# Altium PCB BK1096.PcbDoc (part 1 of 2) (continued)
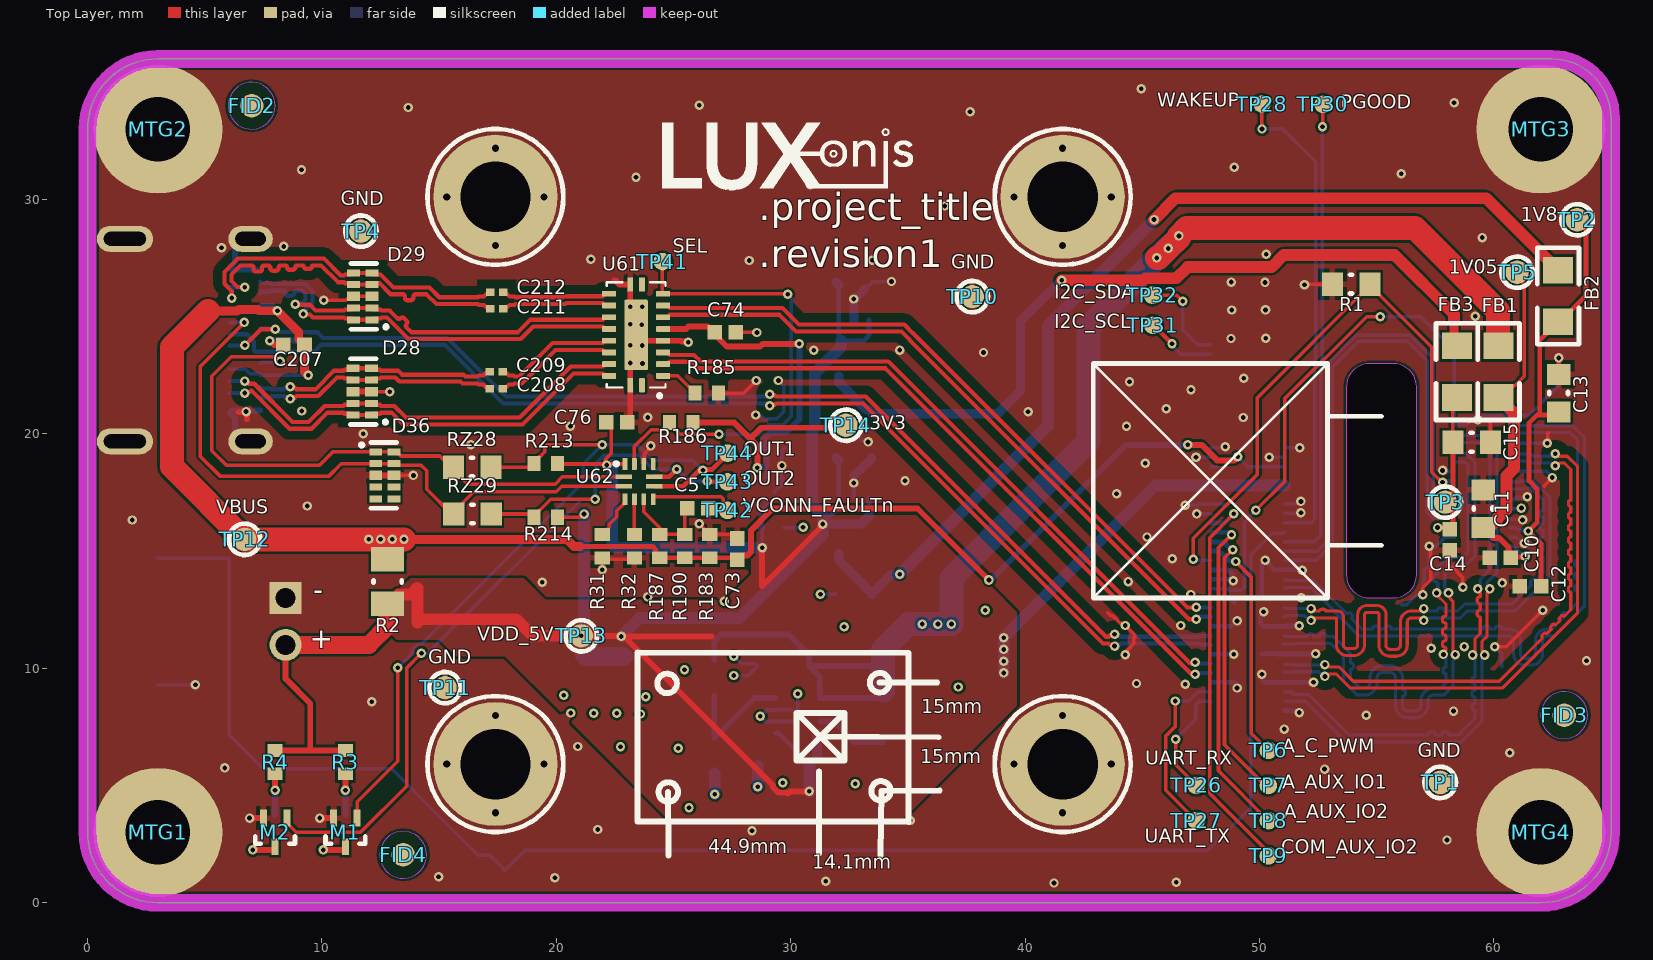
[diagram p0: Top Layer view]
## Footprints (in the part's own frame and the unit in brackets; to place one, negate y for a bottom-side part, rotate by r counter-clockwise, add the part's x,y. Pads: shape width x height; smd on the part's side, far side on the other; paste and mask are expansions set on the pad)
0603 [mm]
  rect 0.7x0.76 smd: 1(-0.762,0) 2(0.762,0)
  silkscreen extent -1.33,-0.63 1.33,0.64, body extent -0.8,-0.4 0.8,0.4, height 0.51
0805 [mm]
  rect 1.143x1.27 smd: 1(-1.1,0) 2(1.1,0)
  silkscreen extent -1.9,-0.9 1.92,0.89, body extent -1.2,-0.65 1.2,0.65, height 0.51
744029001 [mm]
  rect 3.4x1 smd: 1(0,-1.1) 2(0,1.1)
  silkscreen extent -2,-1.9 2,1.9, body extent -1.39,-1.39 1.39,1.39, height 1.21
*JST_B2B-PH-K-S(LF)(SN) [mm]
  rect 1.368x1.368 hole 0.86: P1(1,-0.55)
  round 1.368 hole 0.86: P2(-1,-0.55)
  silkscreen extent -3.2,-2.5 3.2,2.5, body extent -2.95,-2.25 2.95,2.25, height 6
A12N02A-201_MatedModule [mm] "connector: 24-5804-030-000-829+ (1.4mm height w/ module mated)"
  rect 0.22x0.5 smd mask+0.05: 1(-2.8,-1.2) 2(-2.4,-1.2) 3(-2,-1.2) 4(-1.6,-1.2) 5(-1.2,-1.2) 6(-0.8,-1.2) 7(-0.4,-1.2) 8(0,-1.2) 9(0.4,-1.2) 10(0.8,-1.2) 11(1.2,-1.2) 12(1.6,-1.2) 13(2,-1.2) 14(2.4,-1.2) 15(2.8,-1.2) 16(2.8,1.2) 17(2.4,1.2) 18(2,1.2) 19(1.6,1.2) 20(1.2,1.2) 21(0.8,1.2) 22(0.4,1.2) 23(0,1.2) 24(-0.4,1.2) 25(-0.8,1.2) 26(-1.2,1.2) 27(-1.6,1.2) 28(-2,1.2) 29(-2.4,1.2) 30(-2.8,1.2)
  Bottom Layer keep-out region: -4.999,16.599 4.999,16.599 4.999,6.601 -4.999,6.601
  KeepOutLayer board cut-out: -5,4.8 -4.924,5.183 -4.707,5.507 -4.383,5.724 -4,5.8 -4,5.8 4,5.8 4.383,5.724 4.707,5.507 4.924,5.183 5,4.8 5,4.8 5,3.8 4.924,3.417 4.707,3.093 4.383,2.876 4,2.8 4,2.8 -4,2.8 -4.383,2.876 -4.707,3.093 -4.924,3.417 -5,3.8 -5,3.8
  silkscreen extent -4.5,-2 4.5,4.3, body extent -5,-2 5,16.6, height 6.18
CAPC0201(0603)33_L [mm] "Chip Capacitor, Body 0.6x0.3mm, Height 0.33mm, IPC High Density"
  rect 0.36x0.32 smd: 1(-0.28,0) 2(0.28,0)
  body extent -0.32,-0.17 0.32,0.17, height 0.33
CAPC0402(1005)60_N [mm] "Chip Capacitor, Body 1.0x0.5mm, Height 0.6mm, IPC Medium Density"
  rect 0.62x0.62 smd: 1(-0.45,0) 2(0.45,0)
  body extent -0.55,-0.3 0.55,0.3, height 0.6
CAPC0402(1005)70_N [mm] "Chip Capacitor, Body 1.0x0.5mm, Height 0.7mm, IPC Medium Density"
  rect 0.62x0.62 smd: 1(-0.45,0) 2(0.45,0)
  body extent -0.55,-0.3 0.55,0.3, height 0.7
CAPC0603(1608)55_N [mm] "Chip Capacitor, Body 1.6x0.8mm, Height 0.55mm, IPC Medium Density"
  rect 0.9x1 smd: 1(-0.8,0) 2(0.8,0)
  silkscreen extent -0.05,-0.4 0.05,0.4, body extent -0.87,-0.48 0.88,0.47, height 0.55
CAPC0603(1608)100_N [mm] "Chip Capacitor, Body 1.6x0.8mm, Height 1.0mm, IPC Medium Density"
  rect 0.9x1 smd: 1(-0.8,0) 2(0.8,0)
  silkscreen extent -0.05,-0.4 0.05,0.4, body extent -0.87,-0.48 0.88,0.47, height 1
DF40HC-3.0-100DS-0.4V [mm] "CONN HDR 100POS 0.4MM SMD GOLD"
  rect 0.75x0.22 smd: 1(1.565,9.8) 2(-1.565,9.8) 3(1.565,9.4) 4(-1.565,9.4) 5(1.565,9) 6(-1.565,9) 7(1.565,8.6) 8(-1.565,8.6) 9(1.565,8.2) 10(-1.565,8.2) 11(1.565,7.8) 12(-1.565,7.8) 13(1.565,7.4) 14(-1.565,7.4) 15(1.565,7) 16(-1.565,7) 17(1.565,6.6) 18(-1.565,6.6) 19(1.565,6.2) 20(-1.565,6.2) 21(1.565,5.8) 22(-1.565,5.8) 23(1.565,5.4) 24(-1.565,5.4) 25(1.565,5) 26(-1.565,5) 27(1.565,4.6) 28(-1.565,4.6) 29(1.565,4.2) 30(-1.565,4.2) 31(1.565,3.8) 32(-1.565,3.8) 33(1.565,3.4) 34(-1.565,3.4) 35(1.565,3) 36(-1.565,3) 37(1.565,2.6) 38(-1.565,2.6) 39(1.565,2.2) 40(-1.565,2.2) 41(1.565,1.8) 42(-1.565,1.8) 43(1.565,1.4) 44(-1.565,1.4) 45(1.565,1) 46(-1.565,1) 47(1.565,0.6) 48(-1.565,0.6) 49(1.565,0.2) 50(-1.565,0.2) 51(1.565,-0.2) 52(-1.565,-0.2) 53(1.565,-0.6) 54(-1.565,-0.6) 55(1.565,-1) 56(-1.565,-1) 57(1.565,-1.4) 58(-1.565,-1.4) 59(1.565,-1.8) 60(-1.565,-1.8) 61(1.565,-2.2) 62(-1.565,-2.2) 63(1.565,-2.6) 64(-1.565,-2.6) 65(1.565,-3) 66(-1.565,-3) 67(1.565,-3.4) 68(-1.565,-3.4) 69(1.565,-3.8) 70(-1.565,-3.8) 71(1.565,-4.2) 72(-1.565,-4.2) 73(1.565,-4.6) 74(-1.565,-4.6) 75(1.565,-5) 76(-1.565,-5) 77(1.565,-5.4) 78(-1.565,-5.4) 79(1.565,-5.8) 80(-1.565,-5.8) 81(1.565,-6.2) 82(-1.565,-6.2) 83(1.565,-6.6) 84(-1.565,-6.6) 85(1.565,-7) 86(-1.565,-7) 87(1.565,-7.4) 88(-1.565,-7.4) 89(1.565,-7.8) 90(-1.565,-7.8) 91(1.565,-8.2) 92(-1.565,-8.2) 93(1.565,-8.6) 94(-1.565,-8.6) 95(1.565,-9) 96(-1.565,-9) 97(1.565,-9.4) 98(-1.565,-9.4) 99(1.565,-9.8) 100(-1.565,-9.8)
  silkscreen extent -0.65,-10.85 2.75,10.88, body extent -1.69,-11.3 1.69,11.3, height 2.85
DFN65P100X40-4L [mm] "DFN, 4-Leads, Body 1.00x1.00mm, Pitch 0.65mm, IPC High Density"
  rect 0.15x0.15 smd mask+0: 1(-0.51,0.33) 2(-0.51,-0.33) 3(0.51,-0.33)
  rect 0.15x0.15 smd paste+0 mask+0: 4(0.51,0.33)
  rect 0.48x0.48 smd rot 45 mask+0.05: 5(0,0)
  Top Layer region: 0.25,0.43 0.61,0.43 0.61,0.22 0.43,0.22 0.25,0.4
  Top Layer region: -0.25,-0.43 -0.61,-0.43 -0.61,-0.22 -0.43,-0.22 -0.25,-0.4
  Top Layer region: -0.25,0.43 -0.61,0.43 -0.61,0.22 -0.43,0.22 -0.25,0.4
  Top Layer region: 0.25,-0.43 0.61,-0.43 0.61,-0.22 0.43,-0.22 0.25,-0.4
  silkscreen extent -0.54,0.75 -0.48,0.8, body extent -0.5,-0.5 0.5,0.5, height 0.34
DQA-10 [mm]
  rect 0.3x0.55 smd mask+0.05: 1(-1,-0.39) 2(-0.5,-0.39) 4(0.5,-0.39) 5(1,-0.39) 6(1,0.39) 7(0.5,0.39) 9(-0.5,0.39) 10(-1,0.39)
  rect 0.4x0.55 smd mask+0.05: 3(0,-0.39) 8(0,0.39)
  silkscreen extent -1.4,-1.01 1.4,0.5, body extent -1.2,-0.71 1.2,0.71, height 0.25
DTSM32N [mm]
  rect 2x1.5 smd: 1(-2.7,0) 2(2.7,0)
  silkscreen extent -3.01,-1.76 2.99,1.74, body extent -3.65,-1.75 3.65,1.75, height 5
FIDUCIAL_1MM [mm]
  round 1 smd paste-1 mask+0.5: 1(0,0)
  Top Layer keep-out circle w0.025: c0,0 r1
LED_0603 [mm] "Body: 1.6 x 0.8mm, based on HSMx-C190 , C191, & C197 from Avago (Broadcom)"
  rrect50% 0.8x0.8 smd mask+0.05: 1(-0.75,0) 2(0.75,0)
  silkscreen extent -1.7,-0.75 1.35,0.75, body extent -0.8,-0.4 0.8,0.4, height 0.6
Molex_105450-0101 [mm]
  rect 0.3x0.7 smd mask+0.05: A1(-3,0.65) A2(-2.5,0.65) A3(-2,0.65) A4(-1.5,0.65) A5(-1,0.65) A6(-0.5,0.65) A7(0.5,0.65) A8(1,0.65) A9(1.5,0.65) A10(2,0.65) A11(2.5,0.65) A12(3,0.65) B2(2.25,-0.65) B3(1.75,-0.65) B4(1.25,-0.65) B5(0.75,-0.65) B6(0.25,-0.65) B7(-0.25,-0.65) B8(-0.75,-0.65) B9(-1.25,-0.65) B10(-1.75,-0.65) B11(-2.25,-0.65)
  rect 1x0.7 smd mask+0.05: B1(3.1,-0.65) B12(-3.1,-0.65)
  oval 1.1x1.9 hole 0.6 slot 1.3 at 90 deg mask+0.05: SH1(-4.32,0.24) SH4(4.32,0.24)
  oval 1.1x2.4 hole 0.6 slot 1.8 at 90 deg mask+0.05: SH2(-4.32,-5.12) SH3(4.32,-5.12)
  Top Layer keep-out region: -3.6,-1.3 3.6,-1.3 3.6,-5.95 -3.6,-5.95
  silkscreen extent -4.5,-7 4.5,-1, body extent -4.47,-7.02 4.47,0.88, height 3.2
RESC0402(1005)_N [mm] "Chip Resistor, Body 1.0x0.5mm, IPC Medium Density"
  rect 0.55x0.65 smd: 1(-0.5,0) 2(0.5,0)
  body extent -0.52,-0.27 0.53,0.28, height 0.4
RESC0603(1608)_N [mm] "Chip Resistor, Body 1.6x0.8mm, IPC Medium Density"
  rect 0.9x1 smd: 1(-0.8,0) 2(0.8,0)
  silkscreen extent -0.05,-0.4 0.05,0.4, body extent -0.85,-0.47 0.85,0.47, height 0.6
RESC0805(2012)_N [mm] "Chip Resistor, Body 2.0x1.3mm, IPC Medium Density"
  rect 1.05x1.4 smd: 1(-0.95,0) 2(0.95,0)
  silkscreen extent -0.05,-0.6 0.05,0.6, body extent -1.1,-0.67 1.1,0.68, height 0.7
SC70-5 [mm]
  rect 0.4x0.9 smd mask+0.05: 1(-0.65,-1.2) 2(0,-1.2) 3(0.65,-1.2) 4(0.65,1.2) 5(-0.65,1.2)
  silkscreen extent -1.18,-1.85 -1.12,-1.8, body extent -1.1,-1.2 1.1,1.2, height 1.1
SCREW_M2.5x4_RPi [mm] "M2.5x4 as on RaspPi 3B+"
  round 5.5 / inner round 3 / far side round 5.5 hole 2.75: 1(0,0)
SOT-3 [mm]
  rect 0.3x0.3 smd mask+0.05: 1(-0.35,-0.425) 2(0.35,-0.425) 3(0,0.425)
  silkscreen extent -0.6,-0.1 0.6,0.4, body extent -0.6,-0.43 0.6,0.43, height 1
SOT-416FL [mm]
  rect 0.3x0.71 smd: 1(-0.5,-0.61) 2(0.5,-0.61) 3(0,0.61)
  silkscreen extent -0.85,0.18 0.85,0.48, body extent -0.8,-0.8 0.8,0.8, height 0.75
STANDOFF_M2X0.4_3MM [mm] "SMD standoff, such as 9774030243R by Wurth"
  round 5.3 hole 3 unplated mask+0.05: 1(0,0)
  silkscreen extent -2.9,-2.9 2.9,2.9, body extent -2.17,-2.17 2.18,2.17, height 3.05
TP_0.75MM_SMD_NO-SILK [mm] "general purpose test point"
  round 0.75 smd paste-2: 1(0,0)
TP_SMD [mm]
  round 1 smd paste-0.5 mask+0: 1(0,0)
  silkscreen extent -0.67,-0.67 0.67,0.67
VQFN-20 [mm]
  rrect20% 0.25x0.6 smd mask+0.035: 1(-0.25,2.15) 10(-0.25,-2.15) 11(0.25,-2.15) 20(0.25,2.15)
  rrect20% 0.6x0.25 smd mask+0.035: 2(-1.15,1.75) 3(-1.15,1.25) 4(-1.15,0.75) 5(-1.15,0.25) 6(-1.15,-0.25) 7(-1.15,-0.75) 8(-1.15,-1.25) 9(-1.15,-1.75) 12(1.15,-1.75) 13(1.15,-1.25) 14(1.15,-0.75) 15(1.15,-0.25) 16(1.15,0.25) 17(1.15,0.75) 18(1.15,1.25) 19(1.15,1.75)
  rrect10% 1x3 smd paste-3 mask+0.035: 21(0,0)
  silkscreen extent -1.25,-2.25 1.25,2.63, body extent -1.25,-2.25 1.25,2.25, height 1
WSON-8 [mm]
  rect 0.7x1.3 smd mask+0.07: 0(0,0)
  rect 0.5x0.25 smd mask+0.07: 1(-0.95,0.75) 2(-0.95,0.25) 3(-0.95,-0.25) 4(-0.95,-0.75) 5(0.95,-0.75) 6(0.95,-0.25) 7(0.95,0.25) 8(0.95,0.75)
  silkscreen extent -2.06,-1 1.45,1, body extent -1,-1 1,1, height 0.8
X2QFN-12 [mm]
  rrect10% 0.2x0.7 smd mask+0.05: 1(0.2,0.65) 2(-0.2,0.65) 7(-0.2,-0.65) 8(0.2,-0.65)
  rrect10% 0.5x0.2 smd mask+0.05: 3(-0.75,0.6) 4(-0.75,0.2) 5(-0.75,-0.2) 6(-0.75,-0.6) 9(0.75,-0.6) 10(0.75,-0.2) 11(0.75,0.2) 12(0.75,0.6)
  silkscreen extent 0.73,0.95 0.78,1, body extent -0.8,-0.8 0.8,0.8, height 0.4

## Part data
B1: library part SW-PB, "Wurth 434 113 050 826", DIST=Farnell, DIST PN=1868029, ICCO PN=M1V00020, MAN=Wurth, MAN PN="434 113 050 826"
C1 C73 C74 C76 C207: library part CAP, "SMD Multilayer Ceramic Capacitor, 0402 [1005 Metric], 10 µF, 6.3 V, ± 20%, X5R", D - my Footprint=CurrentFootprint, E - MFG=MuRata, F - MFG P/N=GRM155R60J106ME44D
C2: library part CL05A105KP5NNNC, "Cap Ceramic 1uF 10V X5R 10% SMD 0402 85C Paper T/R", Capacitance=1uF, Case/Package=0402, Case Code (Metric)=1005, Dielectric=X5R, Manufacturer=Samsung, Max Operating Temperature=85°C, Min Operating Temperature=-55°C, Package Quantity=1, Tolerance=10%, Voltage Rating=10V, Case Code (Imperial)=0402, ComponentLink1Description=https://datasheet.ciiva.com/15195/getdatasheetpartid-358390-15195630.pdf?src-supplier=Verical, ComponentLink1URL=https://datasheet.ciiva.com/15195/getdatasheetpartid-358390-15195630.pdf?src-supplier=Verical, ComponentLink2Description=https://datasheet.ciiva.com/29198/459159-da-01-en-vs-kondensator-0402-29198341.pdf?src-supplier=Conrad, ComponentLink2URL=https://datasheet.ciiva.com/29198/459159-da-01-en-vs-kondensator-0402-29198341.pdf?src-supplier=Conrad, Contact Plating=Tin, Depth=0.5mm, Height=0.5mm, Length=1mm, Manufacturer Part Number=CL05A105KP5NNNC, Material=Ceramic, Mount="Surface Mount", Packaging="Tape and Reel", Pricing 1="1 = 0.10000, 10 = 0.04200, 100 = 0.01880, 500 = 0.01340, 1000 = 0.01053, 2500 = 0.00958, 5000 = 0.00881 (USD)", Radiation Hardening=No, RoHS=Yes, Stock 1=13690251, Supplier 1=Digi-Key, Thickness=0.022inch, Width=0.02inch
C3 C4: library part GRM188R61A226ME15D
C5: library part GRM155R61E105KA12D, "CAP CER 1UF 25V X5R 0402 10%", Capacitance=1uF, Case Code (Imperial)=0402, Case Code (Metric)=1005, Dielectric=X5R, Manufacturer 1=Murata, Max Operating Temperature=85°C, Min Operating Temperature=-55°C, Package Quantity=10000, Supplier Part Number 1=490-10017-1-ND, Tolerance=10%, Voltage=25V, Case/Package=0402, ComponentLink1Description=https://datasheet.ciiva.com/22732/1666664-22732122.pdf?src-supplier=Element14, ComponentLink1URL=https://datasheet.ciiva.com/22732/1666664-22732122.pdf?src-supplier=Element14, ComponentLink2Description=https://datasheet.ciiva.com/7719/1666664-7719006.pdf?src-supplier=Element14, ComponentLink2URL=https://datasheet.ciiva.com/7719/1666664-7719006.pdf?src-supplier=Element14, Depth=0.5mm, Height=0.5mm, Lead Free="Lead Free", Length=1mm, Manufacturer Part Number 1=GRM155R61E105KA12D, Material=Ceramic, Mount="Surface Mount", Packaging="Tape and Reel", Pricing 1="1=0.10000, 10=0.07100, 100=0.03350, 500=0.02352, 1000=0.01947, 2500=0.01812, 5000=0.01658 (USD)", REACH SVHC="No SVHC", RoHS=Yes, Stock 1=200653, Supplier 1=Digi-Key, Supplier 2=Arrow, Supplier 3=TTI, Supplier Part Number 2=GRM155R61E105KA12D, Supplier Part Number 3=GRM155R61E105KA12D, Termination=SMD/SMT, Thickness=0.022inch, Voltage Rating=25V, Voltage Rating (DC)=25V, Weight=0.000212oz, Width=0.5mm
C6 C7 C8 C9 C11 C13 C15: library part CAP, "SMD Multilayer Ceramic Capacitor, 0603 [1608 Metric], 10 µF, 6.3 V, ± 20%, X5R", DIST=Farnell, DIST PN=1458902, ICCO PN=MV122009, MAN=Yageo(PHYCOM), MAN PN=CC0603MRX5R5BB106
C10 C12 C14: library part CAP, "SMD Multilayer Ceramic Capacitor, 0402 [1005 Metric], 0.1 µF, 10 V, ± 10%, X5R", DIST=Farnell, DIST PN=2392235, ICCO PN=MV122005, MAN=Kemet, MAN PN=C0402C104K8PACTU
C16: library part CAP, "CERAMIC CAPACITOR, 10UF, 6.3V, X5R, 20%, 0805", DIST=Farnell, DIST PN=2372273, ICCO PN=M1V10010, MAN="TAIYO YUDEN", MAN PN=JMK212BJ106MG-T
C17: library part CAP, "SMD Multilayer Ceramic Capacitor, 0805 [2012 Metric], 22 µF, 6.3 V, ± 10%, X5R", DIST=Farnell, DIST PN=2113069, ICCO PN=MV122020, MAN="TAIYO YUDEN", MAN PN=JMK212BJ226KG-T
C208 C209 C211 C212: library part CAP, "SMD Multilayer Ceramic Capacitor, 0201 [0603 Metric], 0.1 µF, 6.3 V, ± 10%, X5R", B - Value=0.1uF, C - Notes="0201  0.1 µF, 6.3 V, ± 10%, X5R", D - my Footprint=CurrentFootprint, E - MFG=MuRata, F - MFG P/N=GRM033R60J104KE19D
D1 D2: library part LED_GREEN_0603, "LED GREEN DIFFUSED 0603 SMD", Case/Package=0603, Case Code (Metric)=1608, Colour=Green,Yellow, Forward Current=20mA, Forward Voltage=2.2V, Illumination Colour=Green, Lens Colour=White,Clear,Diffused, Manufacturer=Rohm, Manufacturer Part Number=SML-D12M8WT86, Max Operating Temperature=85°C, Min Operating Temperature=-40°C, Package Quantity=1, Case Code (Imperial)=0603, ComponentLink1Description=https://datasheet.ciiva.com/11774/0900766b80df3ada-11774260.pdf, ComponentLink1URL=https://datasheet.ciiva.com/11774/0900766b80df3ada-11774260.pdf, ComponentLink2Description=https://datasheet.ciiva.com/3161/sml-d1-3161419.pdf, ComponentLink2URL=https://datasheet.ciiva.com/3161/sml-d1-3161419.pdf, ComponentLink3Description=https://datasheet.ciiva.com/2110/sml-d1-2110396.pdf, ComponentLink3URL=https://datasheet.ciiva.com/2110/sml-d1-2110396.pdf, ComponentLink4Description=https://datasheet.ciiva.com/2110/sml-d1-2110397.pdf, ComponentLink4URL=https://datasheet.ciiva.com/2110/sml-d1-2110397.pdf, ComponentLink5Description=https://datasheet.ciiva.com/2110/sml-d1-2110398.pdf, ComponentLink5URL=https://datasheet.ciiva.com/2110/sml-d1-2110398.pdf, Dominant Wavelength=572nm, Height=0.65mm, Lead Free="Lead Free", Length=1.6mm, Lens Style=Diffused,Colorless,Rectangular, Lens Transparency=Diffused, Luminous Intensity=25mcd, Mount="Surface Mount", Number of LEDs=1, Number of Pins=2, Packaging="Tape and Reel", Pricing 1="1=0.32, 10=0.216, 50=0.216, 100=0.09, 1000=0.062, 10000=0.041 (USD)", Radiation Hardening=No, REACH SVHC=Unknown, Stock 1=109326, Supplier 1=Mouser, Test Current=20mA, Viewing Angle=160°, Wavelength=572nm, Width=0.8mm
D27: "DIODE, ESD, DUAL, USB3.0, SOT-3", D - my Footprint=CurrentFootprint, E - MFG=TI, F - MFG P/N=TPD2EUSB30ADRTR
D28 D29 D36: "TVS DIODE 3.6VWM 8.8VC 10USON", D - my Footprint=CurrentFootprint, E - MFG=TI, F - MFG P/N=TPD4E02B04DQAR
FB1 FB2 FB3: library part INDUCTANCE1, "Ferrite Bead, 600 ohm, 0805 [2012 Metric], 2 A, 0.1 ohm, ± 25%", DIST=Farnell, DIST PN=1838838RL, ICCO PN=MV142024, MAN=FAIR-RITE, MAN PN=2508056017Y2
FID1 FID2 FID3 FID4 FID5 FID6: "Fiducial mark", MAN=Fiducial, MAN PN="No part on PCB"
J1: "CONN RCPT 100POS 0.4MM SMD GOLD", Manufacturer 1=Hirose, Manufacturer Part Number 1=DF40HC(3.0)-100DS-0.4V(58, Package Quantity=1000, Supplier Part Number 1=H124602CT-ND, ComponentLink1Description=https://datasheet.ciiva.com/46636/ed-df40-20140305-46636517.pdf?src-supplier=Digi-Key, ComponentLink1URL=https://datasheet.ciiva.com/46636/ed-df40-20140305-46636517.pdf?src-supplier=Digi-Key, ComponentLink2Description=https://datasheet.ciiva.com/18562/ed-df40-20140305-18562189.pdf?src-supplier=Digi-Key, ComponentLink2URL=https://datasheet.ciiva.com/18562/ed-df40-20140305-18562189.pdf?src-supplier=Digi-Key, Connector Type=Receptacle, Contact Plating=Gold, Lead Free="Lead Free", Mated Stacking Heights=3mm, Mount="Surface Mount", Number of Positions=100, Number of Rows=2, Packaging="Tape and Reel", Pitch=0.016inch, Pricing 1="1=2.75000, 10=2.64000, 25=2.42000, 50=2.31000, 100=2.20000, 250=1.92500, 500=1.87000 (USD)", RoHS=Yes, Stock 1=867, Supplier 1=Digi-Key
J2: library part A12N02A-201, "Series 5804 board to board 0.4mm pitch 30 way connector", MAN=AVX/KYOCERA, MAN PN=24-5804-030-000-829+
J3: "CONN HEADER VERT 2POS 2MM", Color=Natural, Contact Resistance=20mR, Current Rating=2A, Housing Color=White, Insulation Resistance=1MR, Manufacturer=JST, Max Operating Temperature=85°C, Max Voltage Rating (AC)=100V, Min Operating Temperature=-25°C, Supplier Part Number 1=455-1704-ND, ComponentLink1Description=https://datasheet.ciiva.com/6747/80560-6747392.pdf?src-supplier=Newark, ComponentLink1URL=https://datasheet.ciiva.com/6747/80560-6747392.pdf?src-supplier=Newark, ComponentLink2Description=https://datasheet.ciiva.com/11746/0900766b8082f551-11746676.pdf?src-supplier=RSComponents, ComponentLink2URL=https://datasheet.ciiva.com/11746/0900766b8082f551-11746676.pdf?src-supplier=RSComponents, ComponentLink3Description=https://datasheet.ciiva.com/8052/80560-8052022.pdf?src-supplier=Element14, ComponentLink3URL=https://datasheet.ciiva.com/8052/80560-8052022.pdf?src-supplier=Element14, ComponentLink4Description=https://datasheet.ciiva.com/712/eph-712442.pdf?src-supplier=Digi-Key, ComponentLink4URL=https://datasheet.ciiva.com/712/eph-712442.pdf?src-supplier=Digi-Key, ComponentLink5Description=https://datasheet.ciiva.com/16422/b2b-ph-k-slfsn-16422715.pdf?src-supplier=Future+Electronics, ComponentLink5URL=https://datasheet.ciiva.com/16422/b2b-ph-k-slfsn-16422715.pdf?src-supplier=Future+Electronics, Connector Type="Male Pin", Contact Material=Brass, Contact Mating Length=0.13inch, Contact Plating=Tin, Depth=4.5mm, Fastening Type=Detent, Gender=Male, Height=9.4mm, Housing Material=Polyamide, Lead Free="Lead Free", Lead Pitch=2mm, Length=5.9mm, Manufacturer Part Number=B2B-PH-K-S(LF)(SN), Max Current Rating=2A, Max Voltage Rating (DC)=100V, Mount="Through Hole", Number of Contacts=2, Number of Pins=2, Number of Poles=2, Number of Positions=2, Number of Rows=1, Orientation=Straight, Packaging=Bulk, Pitch=2mm, Pricing 1="1 = 0.170000, 10 = 0.162000, 100 = 0.100200, 500 = 0.082880, 1000 = 0.072520, 5000 = 0.062160, 10000 = 0.060440 (USD)", REACH SVHC="No SVHC", RoHS=Yes, Stock 1=216199, Supplier 1=Digi-Key, Termination=Solder, Voltage Rating=100V, Voltage Rating (AC)=100V, Width=4.5mm, Working Voltage=100V
J14: library part Molex_1054500101, "USB 3.1 Type C Receptacle SMD RA", D - my Footprint=CurrentFootprint, E - MFG=Molex, F - MFG P/N=105450-0101
L1: library part INDUCTANCE1_1, "FIXED IND 1UH 2.2A 55 MOHM SMD", DIST=Farnell, DIST PN=1635825, ICCO PN=MV249002, MAN=Wurth, MAN PN=744029001
M1 M2: "MOSFET N-CH 20V 0.2A EMT3", Case/Package=SOT-89, Continuous Drain Current (ID)=200mA, Drain to Source Voltage (Vdss)=20V, Input Capacitance=25pF, Manufacturer 1=Rohm, Max Power Dissipation=150mW, Supplier Part Number 1=RE1C002UNTCLCT-ND, ComponentLink1Description=http://www.mouser.com/ds/2/348/re1c002untcl-e-1018231.pdf?src-supplier=Mouser, ComponentLink1URL=http://www.mouser.com/ds/2/348/re1c002untcl-e-1018231.pdf?src-supplier=Mouser, ComponentLink2Description=http://rohmfs.rohm.com/en/techdata_basic/transistor/taping/EMT3_TL_taping.pdf?src-supplier=Digi-Key, ComponentLink2URL=http://rohmfs.rohm.com/en/techdata_basic/transistor/taping/EMT3_TL_taping.pdf?src-supplier=Digi-Key, ComponentLink3Description=http://rohmfs.rohm.com/en/products/databook/datasheet/discrete/transistor/mosfet/re1c002un.pdf?src-supplier=Avnet, ComponentLink3URL=http://rohmfs.rohm.com/en/products/databook/datasheet/discrete/transistor/mosfet/re1c002un.pdf?src-supplier=Avnet, ComponentLink4Description=https://www.rohm.com/datasheet/RE1C002UN/re1c002untcl-e?src-supplier=Digi-Key, ComponentLink4URL=https://www.rohm.com/datasheet/RE1C002UN/re1c002untcl-e?src-supplier=Digi-Key, ComponentLink5Description=http://www.farnell.com/datasheets/2704376.pdf?src-supplier=Newark, ComponentLink5URL=http://www.farnell.com/datasheets/2704376.pdf?src-supplier=Newark, Lead Free="Lead Free", Manufacturer Part Number 1=RE1C002UNTCL, Mount="Surface Mount", Packaging="Tape and Reel", Pricing 1="1=0.20000, 10=0.18200, 100=0.09930, 500=0.06112, 1000=0.04167 (USD)", Rds On Max=1.2R, RoHS=Yes, Stock 1=941425, Supplier 1=Digi-Key
MTG1 MTG2 MTG3 MTG4 MTG7 MTG8 MTG9 MTG10: "Mounting Hole", B - Value="Not a Part", A - Level=0, F - MFG P/N="Not a Part", Z - SMD or PTH=PTH
  MTG1 MTG2 MTG3 MTG4: D - my Footprint=SCREW_M2.5x4_RPi
  MTG7 MTG8 MTG9 MTG10: D - my Footprint=STANDOFF_M2X0.4_3MM
R1: library part RES1, "SMD Chip Resistor, 10 kohm, 75 V, 0603 [1608 Metric], 100 mW, ± 1%", DIST=Farnell, DIST PN=2502397, ICCO PN=MV122008, MAN=WALSIN, MAN PN=WR06X1002FTL
R2: library part D-100-0004
R3 R4: library part RES1, "SMD Chip Resistor, 1 kohm, 50 V, 0402 [1005 Metric], 62.5 mW, ± 1%", D - my Footprint=CurrentFootprint, E - MFG=WALSIN, F - MFG P/N=WR04X1001FTL
R5: library part RES1, "RES SMD 53.6K OHM 1% 1/10W 0603", DIST=Digi-Key, DIST PN=CR0603-FX-5362ELFCT-ND, MAN="Bourns Inc.", MAN PN=CR0603-FX-5362ELF
R6: library part RES1, "SMD Chip Resistor, Anti-Surge, 39.2 kohm, 150 V, 0603 [1608 Metric], 250 mW, ± 1%", DIST=Farnell, DIST PN=2562012RL, ICCO PN=MV249003, MAN=Panasonic, MAN PN=ERJPA3F3922V
R31 R32 R183 R185 R186 R213 R214: library part RES1, "SMD Chip Resistor, Thick Film, 10 kohm, 50 V, 0402, 100mW, ± 1%", D - my Footprint=CurrentFootprint, E - MFG=Panasonic, F - MFG P/N=ERJ2RKF1002X
R187 R190: library part R_1.8M_1%_0402, "RES SMD 1.8M 1% 0402 50V", D - my Footprint=CurrentFootprint, E - MFG="YAGEO (PHYCOMP)", F - MFG P/N=RC0402FR-071M8L
RZ28 RZ29: library part RES1, "Thick Film Resistors - SMD 0603 Zero Ohms", D - my Footprint=CurrentFootprint, E - MFG=Panasonic, F - MFG P/N=ERJ-3GEY0R00V
TP1 TP2 TP3 TP4 TP5 TP10 TP11 TP12 TP13 TP14: library part TP, "TEST POIN", MAN="SMD TESTPOINT", MAN PN="SMD TESTPOINT"
TP6 TP7 TP8 TP9 TP26 TP27 TP28 TP29 TP30 TP31 TP32 TP41 TP42 TP43 TP44: "circular pad test point, SMD"
U1: library part TLV707, "IC REG LDO 1V 0.2A 4X2SON", Dropout Voltage=250mV, Manufacturer="Texas Instruments", Manufacturer Part Number=TLV70710DQNR, Max Operating Temperature=125°C, Min Current Limit=240mA, Min Operating Temperature=-40°C, Output Current=200mA, Output Voltage=1V, Package Quantity=3000, Quiescent Current=25uA, ComponentLink1Description=http://www.ti.com/lit/gpn/tlv707?src-supplier=Mouser, ComponentLink1URL=http://www.ti.com/lit/gpn/tlv707?src-supplier=Mouser, ComponentLink2Description=http://www.ti.com/lit/ds/symlink/tlv707.pdf?src-supplier=Digi-Key, ComponentLink2URL=http://www.ti.com/lit/ds/symlink/tlv707.pdf?src-supplier=Digi-Key, Lead Free="Lead Free", Mount="Surface Mount", Number of Regulators=1, Packaging="Tape and Reel", Pricing 1="1 = 0.46000, 10 = 0.37300, 100 = 0.25380, 500 = 0.19034, 1000 = 0.14276 (USD)", RoHS=Yes, Stock 1=4380, Supplier 1=Digi-Key
U3: "LDO, 200MA, 1.8V, 5SC70", DIST=Farnell, DIST PN=1778221, ICCO PN=MV198003, MAN=TI, MAN PN=TLV70018DCKT
U4: "LDO, 200MA, 2.8V, 5SC70", DIST=Farnell, DIST PN=1778222, ICCO PN=MV200002, MAN=TI, MAN PN=TLV70028DCKT
U5: "IC REG BUCK ADJ 1.2A SYNC 8WSON", DIST=Mouser, DIST PN=595-TLV62080DSGT, ICCO PN=MV249006, MAN=TI, MAN PN=TLV62080DSGT
U61: "Two Channel Differential 2:1/1:2 10Gbps Mux/Demux", D - my Footprint=CurrentFootprint, E - MFG="TEXAS INSTRUMENTS", F - MFG P/N=HD3SS3212RKSR
U62: "USB Type-C  ™ Configuration  Channel  Logic and Port Control  with VCONN", D - my Footprint=CurrentFootprint, E - MFG=TI, F - MFG P/N=TUSB321RWBR

## Via types
v1: diameter 0.406, hole 0.203, Top Layer to Bottom Layer, tented both sides, 130 vias
v2: diameter 0.4/0.4/0.4/0.4 (per signal layer), hole 0.2, Top Layer to Bottom Layer, tented both sides, 106 vias
v3: diameter 0.4, hole 0.2, Top Layer to Bottom Layer, tented both sides, 27 vias
v4: diameter 0.61, hole 0.305, Top Layer to Bottom Layer, tented both sides, 16 vias

## Nets (pads, with @x,y where several pads share a name; then routed paths per layer and width w, separated by ;. In a path a pad name is that pad's centre, name@x,y a point inside that pad or via, vN(x,y) a via of type N, cw(c..) or ccw(c..) an arc to the next point about the centre after c; other vN are vias at no path point)
1.05V: C10.2 C11.2 FB1.2 J2.15 TP5.1 | length 15.7
  Top Layer w0.15: FB1.2@60.198,21.557 60.694,22.053 60.89,22.053 61.29,22.454 61.29,26.386 60.985,26.691 TP5.1@60.985,26.899
  Top Layer w0.22: C10.2@60.724,14.707 60.764,14.747 61.294,14.747 v1(61.329,14.782)
  Top Layer w0.254: C11.2@59.538,16.015 59.988,15.565 60.216,15.565 60.627,15.154 60.627,14.804 C10.2@60.724,14.707
  Top Layer w0.508: C11.2@59.766,16.015 59.816,16.015 60.156,16.355 60.156,16.405 60.534,16.782 60.534,18.2 60.849,18.515 60.849,20.906 FB1.2@60.198,21.557
  Bottom Layer w0.152: J2.15@60.7,15.2 60.84,15.2 v1@61.199,14.841
  Bottom Layer w0.22: v1@61.199,14.841 61.199,14.782 v1(61.329,14.782)
1.8V: C12.2 C13.2 FB2.2 J2.13 TP2.1 | length 19.1
  Top Layer w0.203: C12.2@62.01,13.503 62.01,15.305 v1(61.462,15.853) 61.849,16.24 61.849,17.642 61.5,17.991 61.5,20.479 61.824,20.803 61.951,20.803 ; C13.2@62.763,20.942 62.624,20.803 61.951,20.803 ; TP2.1@63.551,29.134 63.932,28.753 63.932,25.913 62.801,24.783 FB2.2@62.738,24.783 61.951,23.995 61.951,20.803
  Bottom Layer w0.152: J2.13@60.7,16 60.961,16 61.048,15.914 61.213,15.914 61.256,15.871 61.395,15.871 61.422,15.844 v1@61.453,15.844
2.8V: C14.2 C15.2 FB3.2 J2.11 J2.18 TP3.1 | length 11.4
  Top Layer w0.15: C15.2@58.249,19.643 58.249,21.386 FB3.2@58.42,21.557
  Top Layer w0.203: v1(57.597,16.003) 58.249,16.003 C15.2@58.249,19.643
  Midlayer 1 w0.152: v1(57.597,16.003) 58.455,16.003 59.289,16.836 v1(61.173,16.836)
  Bottom Layer w0.152: v1@57.598,16.003 58.076,16.003 58.298,16.002 J2.18@58.3,16 J2.18@58.302,15.997 ; J2.11@60.7,16.8 60.705,16.805 v1@61.141,16.805
  Bottom Layer w0.21: v1@61.141,16.805 v1(61.173,16.836)
3.3VIN: C1.2 C74.2 R186.2 TP14.1 U1.1 U61.6 | length 22
  Top Layer w0.25: U61.6@24.555,24.476 25.534,24.476 25.647,24.589 26.452,24.589 26.713,24.327 26.713,24.286 27.278,23.722 28.689,23.722 28.81,23.843 v3(30.368,23.843) ; R186.2@25.875,20.481 27.59,20.481 28.277,19.794 ; v3(28.575,18.556) 28.575,19.495 28.277,19.794 ; TP14.1@32.355,20.369 32.246,20.26 28.743,20.26 28.277,19.794
  Bottom Layer w0.15: U1.1@28.964,18.021 28.964,18.651
  Bottom Layer w0.25: v3(28.575,18.556) 28.604,18.585 28.898,18.585 28.964,18.651 28.964,19.281 C1.2@28.844,19.401 28.864,19.421 28.864,19.789 29.125,20.05 29.8,20.05 30.368,20.618 v3(30.368,23.843)
CAM_A_AUX_IO1: J1.38 TP7.1 | length 12.1
  Top Layer w0.152: v3(48.854,15.063) 48.504,14.713 48.504,6.741 50.245,5 TP7.1@50.375,5
  Bottom Layer w0.2: J1.38@47.935,15.4 47.945,15.39 48.473,15.39 48.8,15.063 v3(48.854,15.063)
CAM_A_AUX_IO2: J1.40 TP8.1 | length 14.2
  Top Layer w0.152: v3(48.802,15.701) 48.25,15.149 48.25,5.625 TP8.1@50.375,3.5
  Bottom Layer w0.2: J1.40@47.935,15.8 48.649,15.8 48.748,15.701 v3(48.802,15.701)
CAM_A_C_PWM: J1.36 TP6.1 | length 9.9
  Top Layer w0.152: v3(48.981,14.555) 49.638,13.898 49.638,7.224 49.651,7.224 TP6.1@50.375,6.5
  Bottom Layer w0.2: J1.36@47.935,15 48.2,15 48.288,14.912 48.393,14.912 48.712,14.594 48.943,14.594 v3(48.981,14.555)
CAM_A_CLK_OUT: J1.28 J2.30 | length 22.3
  Top Layer w0.15: v1(49.845,16.74) 51.066,17.961 51.066,21.501 54.566,25.001 v1(55.154,25.001)
  Bottom Layer w0.15: J1.28@47.924,13.4 J1.28@47.935,13.4 48.662,13.4 48.742,13.32 49.214,13.32 49.358,13.464 49.358,16.253 v1(49.845,16.74) ; v1(55.154,25.001) 56.868,25.001 58.3,23.57 J2.30@58.3,20.8
CAM_A_PWDN_N: J1.34 J2.23 R1.1 | length 25.9
  Top Layer w0.15: v1(47.176,14.655) 47.176,15.551 49.911,18.286 49.911,21.542 ; R1.1@54.707,26.388 54.707,26.338 57.345,23.699 57.345,18.369 57.781,17.932 v1(57.81,17.932)
  Top Layer w0.152: 49.911,21.542 R1.1@54.707,26.338
  Bottom Layer w0.15: v1(47.176,14.655) 47.245,14.655 47.3,14.6 J1.34@47.924,14.6 ; J1.34@47.889,14.635 J1.34@47.924,14.6 ; J1.34@47.935,14.6 J1.34@47.924,14.6
  Bottom Layer w0.152: v1@57.924,17.99 58.29,17.99 J2.23@58.3,18
  Bottom Layer w0.2: v1(57.81,17.932) 57.866,17.932 v1@57.924,17.99
CC1: D36.1 D36.10 J14.A5 RZ28.1 U62.1 | length 26.2
  Top Layer w0.15: v1(8.214,23.101) 8.029,23.286 6.123,23.286 5.3,22.463 5.3,19.285 5.93,18.655 9.892,18.655 10.466,19.229 13.198,19.229 13.37,19.057 15.028,19.057 16.23,17.855 19.946,17.855 20.257,18.166 U62.1@22.88,18.166
  Bottom Layer w0.152: J14.A5@7.364,23.001 7.415,23.053 8.165,23.053 v1(8.214,23.101)
CC2: D36.2 D36.9 J14.B5 RZ29.1 U62.2 | length 27.6
  Top Layer w0.152: v1(6.689,24.754) 4.8,22.865 4.8,19.051 5.651,18.2 10.301,18.2 10.83,18.729 D36.2@12.293,18.729 ; D36.2@12.266,18.702 D36.2@12.293,18.729 ; U62.2@22.88,17.766 20.223,17.766 19.993,17.536 16.477,17.536 15.523,16.582 14.465,17.639 14.465,18.43 14.24,18.655 13.146,18.655 D36.9@13.073,18.729 D36.2@12.293,18.729
  Bottom Layer w0.152: J14.B5@6.064,24.751 6.065,24.753 6.688,24.753 v1(6.689,24.754)
COM_AUX_IO2: J1.42 TP9.1 | length 17.2
  Top Layer w0.152: v3(48.906,16.59) 47.877,15.561 47.877,4.66 50.375,2.162 TP9.1@50.375,2
  Bottom Layer w0.2: J1.42@47.924,16.2 47.934,16.21 48.526,16.21 48.84,16.525 48.896,16.525 48.906,16.515 v3(48.906,16.59)